# Altium PCB MCU047F_PCB.PcbDoc (part 2 of 3)
Units mil, origin at the board's own origin, x right, y up, seen from the top; angles counter-clockwise.
Board outline 7150 x 2800 mil, 2 copper layers (Top Layer, Bottom Layer), stack 62 mil thick; 59 components, 169 nets, 504 pads, 929 vias.
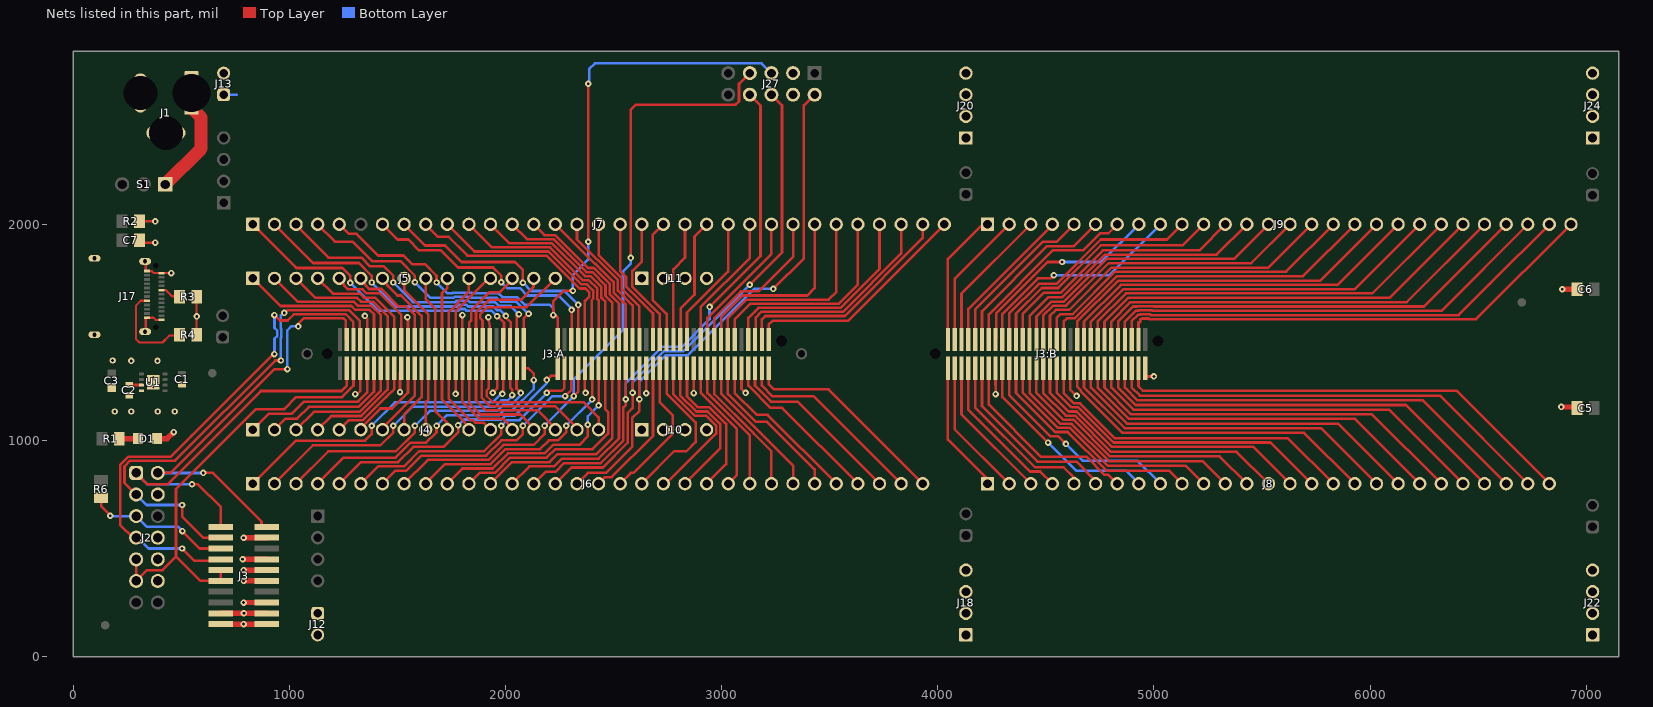
[diagram p2: the nets of this part, all layers, seen from the top]

## Via types
v1: diameter 62, hole 42, Top Layer to Bottom Layer, 816 vias
v2: diameter 30, hole 13, Top Layer to Bottom Layer, 109 vias
v3: diameter 19.68, hole 7.87, Top Layer to Bottom Layer, 4 vias

## Nets (pads, with @x,y where several pads share a name; then routed paths per layer and width w, separated by ;. In a path a pad name is that pad's centre, name@x,y a point inside that pad or via, vN(x,y) a via of type N, cw(c..) or ccw(c..) an arc to the next point about the centre after c; other vN are vias at no path point) (continued)
FSIRX_D0_MCU: J3:A.58 J7.5 J27.5 | length 3436.1
  Top Layer w12: J7.5@1230,2000 1273.88,1956.12 1309.88,1956.12 1410,1856 1527.33,1856 1567.33,1816 1626.23,1816 1680,1762.23 v2(1680,1731) ; J3:A.58@2240.87,1467.86 2241,1467.98 2241,1567.82 2235.78,1573.04 2235.78,1574.22 2230,1580 v2(2220,1580) 2220,1643.7 2269.21,1692.91 v2(2311.33,1692.91) ; v2(2381.89,1919.29) v2@2381.89,2650.33
  Bottom Layer w12: v2(1680,1731) 1730,1681 1753.61,1681 1756.85,1684.25 1843.01,1684.25 1846.25,1681 1967.12,1681 1985.12,1663 2053.49,1663 2089.24,1627.25 2204.6,1627.25 2220,1611.85 v2(2220,1580) ; v2(2311.33,1692.91) 2311.33,1766.32 2381.89,1836.88 v2(2381.89,1919.29) ; v2(2381.92,2650.35) 2386,2654.44 2386,2718.23 2413.26,2745.48 3184.52,2745.48 J27.5@3230,2700
FSIRX_D1_MCU: J3:A.63 J6.8 J27.7 | length 3216.8
  Top Layer w12: J6.8@1530,800 1640,910 1920,910 1990,980 2130,980 2180,1030 v2(2180,1068) ; v2(2315,1205) 2336,1226 2336,1333.36 J3:A.63@2335.36,1334 ; v2(2578.74,1845) 2578.74,2529.53 2602.86,2553.65 3063.94,2553.65 3080,2569.7 3080,2650 J27.7@3130,2700
  Bottom Layer w12: v2(2180,1068) 2315,1203 v2(2315,1205) 2315,1282.86 2542.98,1510.83 2542.98,1781.5 2578.74,1817.26 v2(2578.74,1845)
FSITX_CLK_MCU: J3:A.81 J6.16 J27.2 | length 2559.9
  Top Layer w12: J6.16@2330,800 2380,850 2465,850 2585,970 2585,1102.85 2618.83,1136.67 v2(2618.83,1190.94) J3:A.81@2618.83,1334 ; v2(3238.19,1701.13) 3380,1842.94 3380,2550 J27.2@3430,2600
  Bottom Layer w12: v2(2618.83,1190.94) 2618.83,1272 2741.66,1394.83 2843.45,1394.83 3149.75,1701.13 v2(3238.19,1701.13)
FSITX_D0_MCU: J3:A.79 J6.15 J27.6 | length 2513.2
  Top Layer w12: J6.15@2230,800 2305,875 2450,875 2565,990 2565,1127.18 2587.33,1149.51 v2(2587.33,1220.47) J3:A.79@2587.33,1334 ; v2(3129.92,1720.95) 3129.92,1721.43 3279,1870.51 3279,2551 J27.6@3230,2600 J27.6@3222.19,2600
  Bottom Layer w12: v2(2587.33,1220.47) 2587.33,1267.37 2733.79,1413.83 2822.8,1413.83 v2(3129.92,1720.95)
FSITX_D1_MCU: J3:A.77 J6.14 J27.8 | length 2578
  Top Layer w12: J6.14@2130,800 2185,855 2230,855 2270,895 2440,895 2545,1000 2545,1153 2555.83,1163.83 v2(2555.83,1190.94) J3:A.77@2555.83,1334 ; v2(2943.43,1617.79) 2944.32,1617.79 3179.13,1852.6 3179.13,2550 3130,2599.13 J27.8@3130,2600
  Bottom Layer w12: v2(2555.83,1190.94) 2555.83,1265.23 2723.43,1432.83 2814.93,1432.83 2943.43,1561.32 v2(2943.43,1617.79)
GND: C1.1 C2.1 C3.1 C5.2 C6.2 C7.2 D1.1 J1.2 J1.3 J2.4 J2.8 J2.10 J2.12 J3.4 J3.8 J3.10 J3.12 J3.16 J3.17 J3.18 J3.19 J3.20 J3:A.7 J3:A.10 J3:A.19 J3:A.22 J3:A.35 J3:A.38 J3:A.46 J3:A.47 J3:A.65 J3:A.83 J3:A.97 J3:A.111 J3:B.135 J3:B.157 J3:B.179 J10.1 J10.2 J10.3 J10.4 J11.1 J11.2 J11.3 J11.4 J12.1 J12.2 J13.1 J13.2 J17.A1 J17.A12 J17.B1 J17.B12 J17.S1 J17.S2 J17.S3 J17.S4 J18.1 J18.2 J18.3 J18.4 J20.1 J20.2 J20.3 J20.4 J22.1 J22.2 J22.3 J22.4 J24.1 J24.2 J24.3 J24.4 J27.3 J27.4 R2.1 R3.1 R4.1 U1.4 U1.9 | length 3661.8
  Top Layer w10: J17.S2@326.38,1503.58 334.65,1511.85 J17.B1@334.65,1567.76 ; J17.S1@326.38,1828.78 334.65,1820.51 334.65,1784.39 361.05,1784.39 370.98,1774.45 J17.A1@401.57,1774.45 ; J17.B1@339.65,1567.76 370.29,1567.76 380.13,1557.91 J17.A12@406.57,1557.91 ; J17.A1@406.57,1774.54 v2(452.46,1774.54) ; R4.1@570,1485 v2(570,1574) R3.1@570,1665
  Top Layer w12: C7.2@305,1915.45 v2(378.51,1915.45) ; R2.1@305,2013.87 v2(378.51,2013.87) ; v2(1303.91,1214.91) 1312.91,1214.91 1327,1229 1327,1288 1327.49,1288 J3:A.7@1327.49,1334 ; v2@1348.43,1574 1358.98,1563.44 J3:A.10@1358.98,1467.86 ; v2(1511,1224) 1511,1313.44 J3:A.19@1516.46,1318.9 ; v2(1545,1570) 1547.96,1570 J3:A.22@1547.96,1467.86 ; v2@1768,1229 v2@1768.43,1229 ; v2(1768.43,1215.49) J3:A.35@1768.43,1334 ; J3:A.38@1799.93,1513 J3:A.38@1799.93,1467.86 ; v2(1799.93,1580.25) J3:A.38@1799.93,1467.86 ; J3:A.38@1800,1467.93 J3:A.38@1799.93,1467.86 ; v2(1920,1570) 1925.91,1530 J3:A.46@1925.91,1467.86 ; v2(1940.47,1220.47) 1960.93,1240.93 1960.93,1334 J3:A.47@1957.41,1334 ; J3:A.65@2366.86,1334 2366.86,1223.14 v2(2370,1220) ; J3:A.83@2650.32,1334 v2(2650.63,1218.19) ; v2(2870.6,1218.91) 2870.8,1285 J3:A.97@2870.8,1334 ; J3:A.111@3091.27,1334 3091.27,1238.97 v2(3110.24,1220) ; v2(4267.17,1214.91) 4267,1289 4267.17,1289 J3:B.135@4267.18,1334 ; J3:B.157@4613.63,1334 4613.63,1234.49 v2(4642.15,1205.98) ; J3:B.179@4960.09,1334 4960.09,1296 v2(5000,1296)
  Top Layer w25: D1.1@386.5,1008.74 433.74,1008.74 v2(464.05,1039.06) ; J3.19@682.01,150 v2(787.4,150) J3.20@895,150 ; J3.17@682.01,200 J3.18@895,200 ; v2(782.48,450) J3.8@895,450 J3.8@893.5,451.5 ; v2(787.4,250) J3.16@895,250 ; v2(787.4,350) J3.12@895,350 ; v2(787.4,400) J3.10@895,400 ; v2(787.4,550) J3.4@895,550 ; v2(6885,1155) 6957.5,1155 C5.2@6962.5,1150 ; v2(6890,1700) C6.2@6962.5,1700
  Bottom Layer w12: J13.1@695,2600 756.3,2600
  other v2: 788.5,200 190.5,1134 267.15,1134 390,1134 469,1134 267.15,1368.11 388.73,1368.11 180.75,1370 1348.43,1576
  other v3: 369.05,1244.6 349.36,1269.2 388.73,1269.2 369.05,1293.81
NetC2_2: C2.2 U1.3 | length 56.5
  Top Layer w12: C2.2@257.4,1256.41 U1.3@313.93,1256.41
NetD1_2: D1.2 R1.1 | length 85.7
  Top Layer w25: R1.1@212.17,1008.74 D1.2@297.91,1008.74
NetJ1_1: J1.1 S1.1 | length 512.4
  Top Layer w60: S1.1@425,2185 590.55,2350.55 590.55,2494.72 545.91,2539.37 J1.1@545.91,2561.55 ; J1.1@545.91,2608.27 J1.1@545.91,2561.55 ; J1.1@547.4,2560.06 J1.1@545.91,2561.55
NetJ3:A_9: J3:A.9 J4.1 | length 712.6
  Top Layer w12: J4.1@830,1050 903,1123 1009.39,1123 1066.39,1180 1317.6,1180 1358.98,1221.39 J3:A.9@1358.98,1334
NetJ3:A_11: J3:A.11 J4.2 | length 641.4
  Top Layer w12: J4.2@930,1050 981.08,1101.08 1034.47,1101.08 1088.92,1155.53 1320,1155.53 1390.48,1226.01 J3:A.11@1390.48,1334
NetJ3:A_12: J3:A.12 J5.1 | length 745.4
  Top Layer w12: J5.1@830,1750 958,1622 1285.91,1622 1303.91,1604 1370.6,1604 1390.48,1584.12 J3:A.12@1390.48,1467.86
NetJ3:A_13: J3:A.13 J4.3 | length 570.2
  Top Layer w12: J4.3@1030,1050 1112,1132 1323.34,1132 1421.98,1230.64 J3:A.13@1421.98,1334
NetJ3:A_14: J3:A.14 J5.2 | length 674.2
  Top Layer w12: J5.2@930,1750 1039,1641 1299.02,1641 1317.02,1623 1378.47,1623 1421.98,1579.49 J3:A.14@1421.98,1467.86
NetJ3:A_15: J3:A.15 J4.4 | length 498.9
  Top Layer w12: J4.4@1130,1050 1193,1113 1331.21,1113 1453.47,1235.26 J3:A.15@1453.47,1334
NetJ3:A_16: J3:A.16 J5.3 | length 603
  Top Layer w12: J5.3@1030,1750 1120,1660 1311.91,1660 1329.91,1642 1386.34,1642 1453.47,1574.87 J3:A.16@1453.47,1467.86
NetJ3:A_17: J3:A.17 J4.5 | length 428.6
  Top Layer w12: J4.5@1230,1050 1274,1094 1339.3,1094 1448.3,1203 1449.59,1203 1484.97,1238.38 J3:A.17@1484.97,1334
NetJ3:A_18: J3:A.18 J5.4 | length 531.8
  Top Layer w12: J5.4@1130,1750 1201,1679 1325.27,1679 1343.27,1661 1394.21,1661 1484.97,1570.24 J3:A.18@1484.97,1467.86
NetJ3:A_20: J3:A.20 J5.5 | length 475
  Top Layer w12: J5.5@1230,1750 1229.39,1749.56 1255,1714.35 1270.35,1699 1337.63,1699 1355.63,1681 1417.9,1681 1516.46,1582.44 J3:A.20@1516.46,1467.86
NetJ3:A_21: J3:A.21 J4.6 | length 409.2
  Top Layer w12: J4.6@1330,1050 1326.2,1053.8 1420.4,1148 1474.6,1148 1547.96,1221.36 J3:A.21@1547.96,1334
NetJ3:A_23: J3:A.23 J4.7 | length 349.1
  Top Layer w12: J4.7@1430,1050 1426.2,1053.8 1579.46,1207.06 J3:A.23@1579.46,1334
NetJ3:A_24: J3:A.24 J5.6 | length 437.8
  Top Layer w12: J5.6@1330,1750 1328.89,1749.17 1355,1714.46 1368.46,1701 1424.77,1701 1504.77,1621 1539.6,1621 1579.46,1581.14 J3:A.24@1579.46,1467.86
NetJ3:A_25: J3:A.25 J4.8 | length 317.5
  Top Layer w12: J4.8@1530,1050 1530,1120 1610.95,1200.95 J3:A.25@1610.95,1334
NetJ3:A_26: J3:A.26 J5.7 | length 366.6
  Top Layer w12: J5.7@1430,1750 1428.89,1749.17 1455,1714.46 1498.46,1671 1516.47,1671 1610.95,1576.52 J3:A.26@1610.95,1467.86
NetJ3:A_27: J3:A.27 J4.9 | length 289.2
  Top Layer w12: J4.9@1630,1050 1630,1177.55 1642.45,1190 J3:A.27@1642.45,1334
NetJ3:A_28: J3:A.28 J5.8 | length 328.7
  Top Layer w12: J5.8@1530,1750 1530,1695.67 1642.45,1583.22 J3:A.28@1642.45,1467.86
NetJ3:A_29: J3:A.29 J4.10 | length 312.6
  Top Layer w12: J3:A.29@1673.94,1334 1673.94,1137 1730,1080.94 J4.10@1730,1050 J4.10@1733.8,1053.8
NetJ3:A_30: J3:A.30 J5.9 | length 300.3
  Top Layer w12: J5.9@1630,1750 1630,1654.34 1673.94,1610.4 J3:A.30@1673.94,1467.86
NetJ3:A_31: J3:A.31 J4.11 | length 332.5
  Top Layer w12: J3:A.31@1705.44,1334 1705.44,1189.43 1807.03,1087.84 J4.11@1830,1050
NetJ3:A_32: J3:A.32 J5.10 | length 292.3
  Top Layer w12: J3:A.32@1705.44,1467.86 1705.44,1681.44 1730,1706 J5.10@1730,1750
NetJ3:A_33: J3:A.33 J4.12 | length 393.7
  Top Layer w12: J3:A.33@1736.94,1334 1736.94,1192.31 1835.35,1093.91 1848.19,1093.91 1860.89,1081.2 1898.8,1081.2 J4.12@1930,1050
NetJ3:A_34: J3:A.34 J5.11 | length 320.7
  Top Layer w12: J3:A.34@1736.94,1467.86 1736.94,1595.17 1830,1688.23 J5.11@1830,1750
NetJ3:A_36: J3:A.36 J5.12 | length 359.9
  Top Layer w12: J3:A.36@1768.43,1467.86 1768.43,1597.78 1920.65,1750 J5.12@1930,1750 J5.12@1933.8,1746.2
NetJ3:A_37: J3:A.37 J4.13 | length 447.3
  Top Layer w12: J3:A.37@1799.93,1334 1799.93,1176.99 1875.92,1101 1986.6,1101 2033.8,1053.8 J4.13@2030,1050
NetJ3:A_39: J3:A.39 J4.14 | length 518.5
  Top Layer w12: J3:A.39@1831.43,1334 1831.43,1172.37 1883.79,1120 2067.6,1120 2133.8,1053.8 J4.14@2130,1050
NetJ3:A_40: J3:A.40 J5.13 | length 396
  Top Layer w12: J3:A.40@1831.43,1467.86 1831.43,1545.36 1840.08,1554.02 1840.08,1557.34 1840.55,1557.34 1840.55,1601 1925.55,1686 1973.6,1686 2033.8,1746.2 J5.13@2030,1750
NetJ3:A_41: J3:A.41 J4.15 | length 579.3
  Top Layer w12: J3:A.41@1862.92,1334 1862.92,1185.53 1909.45,1139 2148.6,1139 2233.8,1053.8 J4.15@2230,1050
NetJ3:A_42: J3:A.42 J5.14 | length 479.2
  Top Layer w12: J3:A.42@1862.92,1467.86 1862.92,1591.39 1922.53,1651 2070,1651 2129,1710 2129,1749 J5.14@2130,1750
NetJ3:A_43: J3:A.43 J4.16 | length 649.8
  Top Layer w12: J3:A.43@1894.42,1334 1890,1334 1890,1197.13 1929.13,1158 2229.6,1158 2333.8,1053.8 J4.16@2330,1050
NetJ3:A_44: J3:A.44 J5.15 | length 537
  Top Layer w12: J3:A.44@1894.42,1467.86 1893,1469.28 1893,1555 1883,1565 1883,1584.6 1915.4,1617 2097,1617 J5.15@2230,1750
NetJ3:A_45: J3:A.45 J4.17 | length 750
  Top Layer w12: J3:A.45@1925.91,1334 1920.96,1329.04 1920.96,1240.56 1912.47,1232.07 1912.47,1204.53 1940,1177 2360,1177 2430,1107 J4.17@2430,1050
NetJ3:A_49: J3:A.49 J6.1 | length 1469.8
  Top Layer w12: J6.1@830,800 1029,999 1349,999 1380,1030 v2(1380,1068) ; v2(1985,1215) 1988.91,1218.91 J3:A.49@1988.91,1334
  Bottom Layer w12: v2(1380,1068) 1488,1176 1940,1176 1979,1215 v2(1985,1215)
NetJ3:A_50: J3:A.50 J7.1 | length 1458.3
  Top Layer w12: J7.1@830,2000 1030,1800 1030,1798 1244.23,1798 1281,1761.23 v2(1281,1729) ; v2(1960,1575) 1961.06,1576.06 1992.19,1544.92 1992.19,1467.86 J3:A.50@1988.91,1467.86
  Bottom Layer w12: v2(1281,1729) 1409,1601 1781.09,1601 1788.33,1608.25 1811.53,1608.25 1818.77,1601 1934.6,1601 1960,1575.6 v2(1960,1575)
NetJ3:A_51: J3:A.51 J6.2 | length 1417.9
  Top Layer w12: J6.2@930,800 1107.77,977.77 1420,977.77 1480,1037.77 v2(1480,1068) ; J3:A.51@2020.4,1334 2020.4,1245 2030,1235.4 v2(2030,1210)
  Bottom Layer w12: v2(1480,1068) 1568,1156 1950,1156 1980,1186 2010,1186 2030,1206 v2(2030,1210)
NetJ3:A_52: J3:A.52 J7.2 | length 1395.4
  Top Layer w12: J7.2@930,2000 1109,1821 1321.23,1821 1380,1762.23 v2(1380,1731) ; v2(2001,1576) 1997.07,1572.07 2023.96,1545.19 2023.96,1467.86 J3:A.52@2020.4,1467.86
  Bottom Layer w12: v2(1380,1731) 1491,1620 1773.22,1620 1780.46,1627.25 1819.4,1627.25 1826.64,1620 1942.47,1620 1942.94,1620 1959.94,1603 1974,1603 v2(2001,1576)
NetJ3:A_53: J3:A.53 J6.3 | length 1360.6
  Top Layer w12: J6.3@1030,800 1180,950 1492.23,950 1580,1037.77 v2(1580,1068) ; J3:A.53@2051.9,1334 2050,1332.1 2050,1240 v2(2070,1220)
  Bottom Layer w12: v2(1580,1068) 1649,1137 1960,1137 1988,1165 2025,1165 2070,1210 v2(2070,1220)
NetJ3:A_54: J3:A.54 J7.3 | length 1349.8
  Top Layer w12: J7.3@1030,2000 1030,1996 1180,1846 1331.79,1846 1371.79,1806 1436.23,1806 1480,1762.23 v2(1480,1731) ; J3:A.54@2051.9,1467.86 2051.8,1467.96 2051.8,1574 v2(2061.55,1583.75)
  Bottom Layer w12: v2(1480,1731) 1571,1640 1766.35,1640 1772.59,1646.25 1827.27,1646.25 1833.51,1640 1950.52,1640 1968.52,1622 2023.3,1622 v2(2061.55,1583.75)
NetJ3:A_55: J3:A.55 J6.4 | length 1327.1
  Top Layer w12: J6.4@1130,800 1250,920 1490,920 1560,990 1632.23,990 1680,1037.77 v2(1680,1068) ; J3:A.55@2083.39,1334 2105,1334 2130,1309 v2(2130,1279.53)
  Bottom Layer w12: v2(1680,1068) 1729,1117 1970,1117 1993,1140 2032,1140 2130,1238 v2(2130,1279.53)
NetJ3:A_56: J3:A.56 J7.4 | length 1297.9
  Top Layer w12: J7.4@1130,2000 1210,1920 1292.24,1920 1382.24,1830 1512.23,1830 1580,1762.23 v2(1580,1732) ; J3:A.56@2083.39,1467.86 2083.39,1563.76 v2(2106.3,1586.66)
  Bottom Layer w12: v2(1580,1732) 1652,1660 1759.48,1660 1764.72,1665.25 1835.14,1665.25 1840.38,1660 1958.7,1660 1976.7,1642 2047.62,1642 2102.95,1586.66 v2(2106.3,1586.66)
NetJ3:A_57: J3:A.57 J6.5 | length 1280.8
  Top Layer w12: J6.5@1230,800 1330,900 1502.52,900 1572.52,970 1712.23,970 1780,1037.77 v2(1780,1070) ; v2(2190,1280) 2209,1299 2240.87,1299 J3:A.57@2240.87,1334
  Bottom Layer w12: v2(1780,1070) 1807,1097 1980.35,1097 1997.35,1114 2040,1114 2190,1264 v2(2190,1280)
NetJ3:A_59: J3:A.59 J6.6 | length 1239.5
  Top Layer w12: J6.6@1330,800 1410,880 1530,880 1600,950 1900,950 1980,1030 v2(1980,1068) ; v2(2190.47,1220.47) 2200,1230 2260,1230 2271.91,1241.91 2271.91,1333.54 J3:A.59@2272.37,1334
  Bottom Layer w12: v2(1980,1068) 2006.34,1094.34 2064.34,1094.34 v2(2190.47,1220.47)
NetJ3:A_61: J3:A.61 J6.7 | length 1176.1
  Top Layer w12: J6.7@1430,800 1490,860 1540,860 1610,930 1910,930 1980,1000 2050,1000 2080,1030 v2(2080,1068) ; v2(2275,1205) 2304,1234 2304,1333.87 J3:A.61@2303.87,1334
  Bottom Layer w12: v2(2080,1068) 2217,1205 v2(2275,1205)
NetJ3:A_62: J3:A.62 J7.7 | length 1200.9
  Top Layer w12: J7.7@1430,2000 1500,1930 1550,1930 1600,1880 1700,1880 1779.62,1800.38 1941.85,1800.38 1980,1762.23 v2(1980,1732) ; J3:A.62@2305,1468.99 v2(2305,1604.33) v2@2305,1610
  Bottom Layer w12: v2(1980,1732) 2007,1705 2065.23,1705 2099.23,1671 2244,1671 2305,1610 v2(2305,1604.33)
NetJ3:A_64: J3:A.64 J7.8 | length 1161.9
  Top Layer w12: J7.8@1530,2000 1627.77,1902.23 1720,1902.23 1796.44,1825.79 2043.36,1825.79 2080,1789.16 v2(2080,1730) ; J3:A.64@2335,1468.22 J3:A.64@2335.36,1467.86 2335.36,1633.22 v2@2336,1633.86
  Bottom Layer w12: v2(2080,1730) 2118.24,1691.76 2271.21,1691.76 v2(2336,1626.97)
NetJ3:A_66: J3:A.66 J7.9 | length 1115.5
  Top Layer w12: J7.9@1630,2000 1687.94,1942.06 1736.61,1942.06 1823.16,1855.51 2190.06,1855.51 2344.44,1701.13 2346.31,1703 2369.51,1703 2385.91,1686.6 2385.91,1663.4 2369.51,1647 2366.86,1647 J3:A.66@2366.86,1467.86
NetJ3:A_67: J3:A.67 J6.9 | length 1095.5
  Top Layer w12: J6.9@1630,800 1720,890 1930,890 2000,960 2160,960 2200,1000 2242.23,1000 2280,1037.77 v2(2280,1068) ; J3:A.67@2398.35,1334 2400,1333.35 v2(2400,1190)
  Bottom Layer w12: v2(2280,1068) 2400,1188 v2(2400,1190)
NetJ3:A_68: J3:A.68 J7.10 | length 1030.8
  Top Layer w12: J7.10@1730,2000 1855.49,1874.51 2197.93,1874.51 2350.44,1722 2377.38,1722 2404.91,1694.47 2404.91,1655.53 2398.35,1648.97 J3:A.68@2398.35,1467.86
NetJ3:A_69: J3:A.69 J6.10 | length 1136.4
  Top Layer w12: J6.10@1730,800 1800,870 1940,870 2010,940 2180,940 2220,980 2341,980 2380,1020 v2@2380,1079.17 ; v2(2429.85,1161.83) J3:A.69@2429.85,1334 2429.85,1280
  Bottom Layer w12: v2(2380,1072.83) 2380,1111.98 v2(2429.85,1161.83)
NetJ3:A_70: J3:A.70 J7.11 | length 954.1
  Top Layer w12: J7.11@1830,2000 1936.49,1893.51 2205.8,1893.51 2358.31,1741 2385.25,1741 2423.91,1702.34 2423.91,1653.72 2429.85,1647.78 J3:A.70@2429.85,1467.86
NetJ3:A_71: J3:A.71 J6.11 | length 1047.6
  Top Layer w12: J6.11@1830,800 1880,850 1950,850 2020,920 2190,920 2230,960 2402.23,960 2474,1031.77 2474,1131 2461,1144 2461,1327.35 J3:A.71@2461.35,1334
NetJ3:A_72: J3:A.72 J7.12 | length 882.9
  Top Layer w12: J7.12@1930,2000 2017.49,1912.51 2213.67,1912.51 2366.18,1760 2393.12,1760 2442.91,1710.21 2442.91,1661.59 2448.85,1655.65 2461.35,1643.15 J3:A.72@2461.35,1467.86
NetJ3:A_73: J3:A.73 J6.12 | length 974.1
  Top Layer w12: J6.12@1930,800 2030,900 2203,900 2240,937 2420,937 2493,1010 2493,1157.16 2492.84,1157.32 J3:A.73@2492.84,1334
NetJ3:A_74: J3:A.74 J7.13 | length 811.7
  Top Layer w12: J7.13@2030,2000 2098.49,1931.51 2221.54,1931.51 2374.05,1779 2400.99,1779 2461.91,1718.08 2461.91,1669.46 2480.35,1651.02 2492.84,1638.53 J3:A.74@2492.84,1467.86
NetJ3:A_75: J3:A.75 J6.13 | length 905.3
  Top Layer w12: J6.13@2030,800 2110,880 2224.34,880 2260,915.66 2430,915.66 2524.34,1010 J3:A.75@2524.34,1334
NetJ3:A_76: J3:A.76 J7.14 | length 740.5
  Top Layer w12: J7.14@2130,2000 2179.49,1950.51 2229.41,1950.51 2381.92,1798 2408.86,1798 2480.91,1725.95 2480.91,1677.33 2511.84,1646.4 2524.34,1633.9 J3:A.76@2524.34,1467.86
NetJ3:A_78: J3:A.78 J7.15 | length 669.3
  Top Layer w12: J7.15@2230,2000 2413,1817 2416.73,1817 2499.91,1733.82 2499.91,1685.2 2543.34,1641.77 2555.83,1629.28 J3:A.78@2555.83,1467.86
NetJ3:A_80: J3:A.80 J7.16 | length 638.7
  Top Layer w12: J7.16@2330,2000 2330,1930.6 2518.91,1741.69 2518.91,1693.07 2587.33,1624.65 J3:A.80@2587.33,1467.86
NetJ3:A_82: J3:A.82 J7.17 | length 610.4
  Top Layer w12: J7.17@2430,2000 2430,1857.47 2537.91,1749.56 2537.91,1700.94 2618.83,1620.02 J3:A.82@2618.83,1467.86
NetJ3:A_85: J3:A.85 J6.17 | length 656.1
  Top Layer w12: J6.17@2430,800 2460,830 2490.38,830 2681.82,1021.43 J3:A.85@2681.82,1334
NetJ3:A_86: J3:A.86 J7.18 | length 595
  Top Layer w12: J7.18@2530,2000 2530,1784.34 2556.91,1757.43 2556.91,1713.36 2681.82,1588.45 J3:A.86@2681.82,1467.86
NetJ3:A_87: J3:A.87 J6.18 | length 667.4
  Top Layer w12: J6.18@2530,800 2580,850 2592.23,850 2774,1031.77 2774,1115.18 2713.31,1175.86 J3:A.87@2713.32,1334
NetJ3:A_88: J3:A.88 J7.19 | length 603.7
  Top Layer w12: J7.19@2630,2000 2630,1829.11 2586.09,1785.2 2586.09,1711.05 2712.08,1585.06 2713.31,1585.06 J3:A.88@2713.32,1467.86
NetJ3:A_89: J3:A.89 J6.19 | length 725.5
  Top Layer w12: J6.19@2630,800 2780,950 2836,950 2879,993 2879,1084 2744.81,1218.19 J3:A.89@2744.81,1334
NetJ3:A_90: J3:A.90 J7.20 | length 579.7
  Top Layer w12: J7.20@2730,2000 2680,1950 2680,1649.87 2744.81,1585.06 J3:A.90@2744.81,1467.86
NetJ3:A_91: J3:A.91 J6.20 | length 754.8
  Top Layer w12: J6.20@2730,800 2742.23,800 2974,1031.77 2974,1068.23 2927.23,1115 2874.87,1115 2776.31,1213.56 J3:A.91@2776.31,1334
NetJ3:A_92: J3:A.92 J7.21 | length 554.4
  Top Layer w12: J3:A.92@2776.31,1467.86 2776.31,1792.06 2830,1845.75 J7.21@2830,2000
NetJ3:A_93: J3:A.93 J6.21 | length 708.9
  Top Layer w12: J3:A.93@2807.8,1334 2807.8,1208.94 2882.74,1134 2935.1,1134 2993,1076.1 2993,963 J6.21@2830,800
NetJ3:A_94: J3:A.94 J7.22 | length 579.6
  Top Layer w12: J3:A.94@2810,1470.06 2810,1611 2874,1675 2874,1944 J7.22@2930,2000
NetJ3:A_95: J3:A.95 J6.22 | length 676.8
  Top Layer w12: J3:A.95@2839.3,1334 2839.3,1204.31 2890.61,1153 2942.97,1153 3020,1075.97 3020,890 J6.22@2930,800
NetJ3:A_96: J3:A.96 J7.23 | length 611.1
  Top Layer w12: J3:A.96@2839.3,1467.86 2839.3,1591.11 3030,1781.81 J7.23@3030,2000
NetJ3:A_99: J3:A.99 J6.23 | length 620
  Top Layer w12: J3:A.99@2902.29,1334 2902.29,1220.86 3070,1053.15 3070,840 J6.23@3030,800
NetJ3:A_100: J3:A.100 J7.24 | length 626.5
  Top Layer w12: J3:A.100@2902.29,1467.86 2902.29,1617.27 3130,1844.97 J7.24@3130,2000
NetJ3:A_101: J3:A.101 J6.24 | length 615.3
  Top Layer w12: J3:A.101@2933.79,1334 2933.79,1219.75 3130,1023.54 J6.24@3130,800
NetJ3:A_102: J3:A.102 J7.25 | length 654.8
  Top Layer w12: J3:A.102@2933.79,1467.86 2933.79,1567.66 3230,1863.87 J7.25@3230,2000
NetJ3:A_103: J3:A.103 J6.25 | length 643.7
  Top Layer w12: J3:A.103@2965.28,1334 2965.28,1215.13 3149,1031.41 3149,1031 3230,950 J6.25@3230,800
NetJ3:A_104: J3:A.104 J7.26 | length 730.7
  Top Layer w12: J3:A.104@2965.28,1467.86 2965.28,1566.18 3089.1,1690 3170.12,1690 3330,1849.88 J7.26@3330,2000
NetJ3:A_105: J3:A.105 J6.26 | length 672
  Top Layer w12: J3:A.105@2996.78,1334 2996.78,1216.71 3330,883.49 J6.26@3330,800
NetJ3:A_106: J3:A.106 J7.27 | length 886.9
  Top Layer w12: J3:A.106@2996.78,1467.86 2996.78,1570.81 3096.97,1671 3396.31,1671 3430,1704.69 J7.27@3430,2000
NetJ3:A_107: J3:A.107 J6.27 | length 731.3
  Top Layer w12: J3:A.107@3028.28,1334 3028.28,1215.14 3157.69,1085.73 3210.41,1085.73 3430,866.14 J6.27@3430,800
NetJ3:A_108: J3:A.108 J7.28 | length 962.9
  Top Layer w12: J3:A.108@3028.28,1467.86 3028.28,1566.78 3113.5,1652 3494,1652 3530,1688 J7.28@3530,2000
NetJ3:A_109: J3:A.109 J6.28 | length 757.8
  Top Layer w12: J3:A.109@3059.77,1334 3059.77,1220.63 3162.4,1118 3212,1118 J6.28@3530,800
NetJ3:A_110: J3:A.110 J7.29 | length 1008.7
  Top Layer w12: J3:A.110@3059.77,1467.86 3059.77,1560.79 3131.98,1633 3542.22,1633 3630,1720.78 J7.29@3630,2000
NetJ3:A_113: J3:A.113 J6.29 | length 776.2
  Top Layer w12: J3:A.113@3122.01,1334 J3:A.113@3122.76,1334 3122.76,1253.65 3225.41,1151 3279,1151 J6.29@3630,800
NetJ3:A_114: J3:A.114 J7.30 | length 1006.2
  Top Layer w12: J3:A.114@3122.76,1467.86 3122.76,1566.62 3170.15,1614 3550.09,1614 3730,1793.91 J7.30@3730,2000
NetJ3:A_115: J3:A.115 J6.30 | length 844.6
  Top Layer w12: J3:A.115@3154.26,1334 3154,1333.74 3154,1253.31 3227.31,1180 3350,1180 J6.30@3730,800
NetJ3:A_116: J3:A.116 J7.31 | length 1033.3
  Top Layer w12: J3:A.116@3154.26,1467.86 3157.69,1471.29 3157.69,1570 3182.69,1595 3560.43,1595 3830,1864.57 J7.31@3830,2000
NetJ3:A_117: J3:A.117 J6.31 | length 912.5
  Top Layer w12: J3:A.117@3185.76,1334 3186,1333.76 3186,1253.4 3235.26,1204.15 3425.85,1204.15 J6.31@3830,800
NetJ3:A_118: J3:A.118 J7.32 | length 1055.9
  Top Layer w12: J3:A.118@3185.76,1467.86 3185.76,1559.73 3202.02,1576 3569.85,1576 3930,1936.15 J7.32@3930,2000
NetJ3:A_119: J3:A.119 J6.32 | length 977.2
  Top Layer w12: J3:A.119@3217.25,1334 3217.25,1260.22 3241.47,1236 3494,1236 J6.32@3930,800
NetJ3:A_120: J3:A.120 J7.33 | length 1072.9
  Top Layer w12: J3:A.120@3217.25,1467.86 3217.25,1535.71 3235.26,1553.72 3583.72,1553.72 J7.33@4030,2000
NetJ3:B_121: J3:B.121 J8.1 | length 609.9
  Top Layer w12: J3:B.121@4046.7,1334 4046.7,1003.94 4230,820.64 J8.1@4230,800
NetJ3:B_122: J3:B.122 J9.1 | length 622
  Top Layer w12: J3:B.122@4046.7,1467.86 4046.7,1840.55 4206.15,2000 J9.1@4230,2000
NetJ3:B_123: J3:B.123 J8.2 | length 638.3
  Top Layer w12: J3:B.123@4078.2,1334 4078.2,1051.8 J8.2@4330,800
NetJ3:B_124: J3:B.124 J9.2 | length 636.4
  Top Layer w12: J3:B.124@4078.2,1467.86 4078.2,1748.2 J9.2@4330,2000
NetJ3:B_125: J3:B.125 J8.3 | length 666.7
  Top Layer w12: J3:B.125@4109.7,1334 4109.69,1120.31 J8.3@4430,800
NetJ3:B_126: J3:B.126 J9.3 | length 664.8
  Top Layer w12: J3:B.126@4109.7,1467.86 4109.7,1679.7 J9.3@4430,2000
NetJ3:B_127: J3:B.127 J8.4 | length 722.6
  Top Layer w12: J3:B.127@4141.19,1334 4141.19,1141.74 4426.63,856.3 4473.7,856.3 J8.4@4530,800
NetJ3:B_128: J3:B.128 J9.4 | length 693.2
  Top Layer w12: J3:B.128@4141.19,1467.86 4141.19,1609.22 4530,1998.03 J9.4@4530,2000
NetJ3:B_129: J3:B.129 J8.5 | length 800.8
  Top Layer w12: J3:B.129@4172.69,1334 4172.69,1153.39 4450.09,875.98 4582.14,875.98 4630,828.12 J8.5@4630,800
NetJ3:B_130: J3:B.130 J9.5 | length 759.1
  Top Layer w12: J3:B.130@4172.69,1467.86 4172.69,1606.74 4485.24,1919.29 4549.29,1919.29 J9.5@4630,2000
NetJ3:B_131: J3:B.131 J8.6 | length 857.3
  Top Layer w12: J3:B.131@4204.19,1334 4204.18,1158.53 4460.55,902.16 4517.88,902.16 4517.94,902.1 4640.74,902.1 4730,812.84 J8.6@4730,800
NetJ3:B_132: J3:B.132 J9.6 | length 822.3
  Top Layer w12: J3:B.132@4204.19,1467.86 4204.19,1597.66 4506.14,1899.61 4629.61,1899.61 J9.6@4730,2000
NetJ3:B_133: J3:B.133 J8.7 | length 914.3
  Top Layer w12: J3:B.133@4235.68,1334 4235.68,1165.35 4475.84,925.2 4687.93,925.2 4772.13,841 4789,841 J8.7@4830,800
NetJ3:B_134: J3:B.134 J9.7 | length 882.5
  Top Layer w12: J3:B.134@4235.68,1467.86 4235.68,1583.48 4531.66,1879.46 4671.55,1879.46 4750.75,1958.66 4788.66,1958.66 J9.7@4830,2000
NetJ3:B_136: J3:B.136 J9.8 | length 951.9
  Top Layer w12: J3:B.136@4267.18,1467.86 4269.94,1470.63 4269.94,1587.87 4507.87,1825.79 v2(4574.89,1825.79)
  Bottom Layer w12: v2(4574.89,1825.79) 4755.79,1825.79 J9.8@4930,2000
NetJ3:B_137: J3:B.137 J8.8 | length 931
  Top Layer w12: J3:B.137@4298.67,1334 4298.67,1200 4300,1200 v2(4510,990)
  Bottom Layer w12: v2(4510,990) 4640,860 4870,860 J8.8@4930,800
NetJ3:B_138: J3:B.138 J9.9 | length 1102.6
  Top Layer w12: 4298.67,1550 J3:B.138@4298.67,1467.86 4298.67,1585.09 4463.58,1750 4522.64,1750 v2(4537.4,1764.76)
  Bottom Layer w12: v2(4537.4,1764.76) 4794.76,1764.76 J9.9@5030,2000
NetJ3:B_139: J3:B.139 J8.9 | length 993.7
  Top Layer w12: J3:B.139@4330.17,1334 4330.17,1210 4520.08,1020.08 4557.09,1020.08 v2(4592.91,984.25)
  Bottom Layer w12: v2(4592.91,984.25) 4671.35,905.81 4924.19,905.81 J8.9@5030,800
NetJ3:B_140: J3:B.140 J9.10 | length 1172.6
  Top Layer w12: 4330.17,1550 J3:B.140@4330.17,1467.86 4330.17,1587.77 4467.11,1724.71 4548.73,1724.71 4753.94,1929.92 5059.92,1929.92 J9.10@5130,2000
NetJ3:B_141: J3:B.141 J8.10 | length 1056.3
  Top Layer w12: J3:B.141@4361.67,1334 4361.66,1220 4542.58,1039.08 4600.92,1039.08 4780,860 5070,860 J8.10@5130,800
NetJ3:B_142: J3:B.142 J9.11 | length 1158.2
  Top Layer w12: J3:B.142@4361.67,1467.86 4361.67,1586.49 4480.88,1705.71 4556.95,1705.71 4753.94,1902.7 5132.7,1902.7 J9.11@5230,2000
NetJ3:B_143: J3:B.143 J8.11 | length 1124.8
  Top Layer w12: J3:B.143@4393.16,1334 4393.16,1220 4555.08,1058.08 4611.21,1058.08 4786.13,883.16 5146.84,883.16 J8.11@5230,800
NetJ3:B_144: J3:B.144 J9.12 | length 1226.8
  Top Layer w12: J3:B.144@4393.16,1467.86 4393.16,1586.49 4489.74,1683.07 4566.85,1683.07 4763.78,1880 5210,1880 J9.12@5330,2000
NetJ3:B_145: J3:B.145 J8.12 | length 1193.3
  Top Layer w12: J3:B.145@4424.65,1334 4424.65,1220 4567.57,1077.08 4619.08,1077.08 4791.51,904.65 5225.35,904.65 J8.12@5330,800
NetJ3:B_146: J3:B.146 J9.13 | length 1288.5
  Top Layer w12: J3:B.146@4424.66,1467.86 4424.66,1575.01 4513.04,1663.39 4576.52,1663.39 4772.13,1859 4772.62,1859 4773.62,1860 5290,1860 J9.13@5430,2000
NetJ3:B_147: J3:B.147 J8.13 | length 1261.8
  Top Layer w12: J3:B.147@4456.15,1334 4456.15,1220 4580.07,1096.08 4626.95,1096.08 4796.88,926.15 5303.85,926.15 J8.13@5430,800
NetJ3:B_148: J3:B.148 J9.14 | length 1355.6
  Top Layer w12: J3:B.148@4456.15,1467.86 4456.58,1468.29 4456.58,1573 4526.36,1642.78 4582.78,1642.78 4780,1840 5370,1840 J9.14@5530,2000
NetJ3:B_149: J3:B.149 J8.14 | length 1330.3
  Top Layer w12: J3:B.149@4487.65,1334 4487.65,1220 4592.57,1115.08 4634.82,1115.08 4802.25,947.65 5382.35,947.65 J8.14@5530,800
NetJ3:B_150: J3:B.150 J9.15 | length 1426.8
  Top Layer w12: J3:B.150@4487.65,1467.86 4487.65,1577.2 4534.23,1623.78 4594,1623.78 4790.22,1820 5450,1820 J9.15@5630,2000
NetJ3:B_151: J3:B.151 J8.15 | length 1398.8
  Top Layer w12: J3:B.151@4519.15,1334 4519.14,1220 4605.06,1134.08 4642.69,1134.08 4806.77,970 5460,970 J8.15@5630,800
NetJ3:B_152: J3:B.152 J9.16 | length 1495.3
  Top Layer w12: J3:B.152@4519.15,1467.86 4519.15,1577.15 4546.77,1604.78 4608.14,1604.78 4803.37,1800 5530,1800 J9.16@5730,2000
NetJ3:B_153: J3:B.153 J8.16 | length 1467.3
  Top Layer w12: J3:B.153@4550.64,1334 4550.64,1220 4617.56,1153.08 4650.56,1153.08 4813,990.64 5539.36,990.64 J8.16@5730,800
NetJ3:B_154: J3:B.154 J9.17 | length 1557.7
  Top Layer w12: J3:B.154@4550.64,1467.86 4550.64,1567.93 4566.2,1583.48 4588.52,1583.48 4589.04,1584 4623.3,1584 4820.3,1781 5611,1781 ; 5611.5,1781.5 J9.17@5830,2000
NetJ3:B_155: J3:B.155 J8.17 | length 1535.8
  Top Layer w12: J3:B.155@4582.14,1334 4582.13,1220 4630.05,1172.08 4658.43,1172.08 4820.51,1010 5620,1010 J8.17@5830,800
NetJ3:B_156: J3:B.156 J9.18 | length 1698.7
  Top Layer w12: 4582.13,1550 J3:B.156@4582.14,1467.86 4582.14,1550.22 4596.91,1565 4633.26,1565 4828.26,1760 5690,1760 J9.18@5930,2000
NetJ3:B_159: J3:B.159 J8.18 | length 1558.2
  Top Layer w12: J3:B.159@4645.13,1334 4645.13,1249.02 4661.15,1233.01 4661.15,1228.98 4855,1035.13 5694.87,1035.13 J8.18@5930,800
NetJ3:B_160: J3:B.160 J9.19 | length 1653.4
  Top Layer w12: J3:B.160@4645.13,1467.86 4645.13,1550 4835.13,1740 5770,1740 J9.19@6030,2000
NetJ3:B_161: J3:B.161 J8.19 | length 1626.7
  Top Layer w12: J3:B.161@4676.63,1334 4676.62,1245 4865,1056.62 5773.38,1056.62 J8.19@6030,800
NetJ3:B_162: J3:B.162 J9.20 | length 1721.9
  Top Layer w12: J3:B.162@4676.63,1467.86 4676.62,1550 4846.62,1720 5850,1720 J9.20@6130,2000
NetJ3:B_163: J3:B.163 J8.20 | length 1695.2
  Top Layer w12: J3:B.163@4708.12,1334 4708.12,1245 4875,1078.12 5851.88,1078.12 J8.20@6130,800
NetJ3:B_164: J3:B.164 J9.21 | length 1790.4
  Top Layer w12: J3:B.164@4708.12,1467.86 4708.12,1550 4858.12,1700 5930,1700 J9.21@6230,2000
NetJ3:B_165: J3:B.165 J8.21 | length 1763.9
  Top Layer w12: J3:B.165@4739.62,1334 4739.61,1245 4875,1109.61 4875,1109.23 4884.61,1099.61 5930.39,1099.61 J8.21@6230,800
NetJ3:B_166: J3:B.166 J9.22 | length 1858.9
  Top Layer w12: J3:B.166@4739.62,1467.86 4740,1468.24 4740,1550.39 4870,1680.39 6010.39,1680.39 J9.22@6330,2000
NetJ3:B_167: J3:B.167 J8.22 | length 1832.2
  Top Layer w12: J3:B.167@4771.11,1334 4771.11,1245 4895,1121.11 6008.89,1121.11 J8.22@6330,800
NetJ3:B_168: J3:B.168 J9.23 | length 1927.4
  Top Layer w12: J3:B.168@4771.11,1467.86 4771.11,1550 4881.11,1660 6090,1660 J9.23@6430,2000
NetJ3:B_169: J3:B.169 J8.23 | length 1900.7
  Top Layer w12: J3:B.169@4802.61,1334 4802.61,1245 4905,1142.61 6087.39,1142.61 J8.23@6430,800
NetJ3:B_170: J3:B.170 J9.24 | length 1996.3
  Top Layer w12: J3:B.170@4802.61,1467.86 4802.61,1550 4892.61,1640 4912.9,1640 4913.38,1640.48 5006.8,1640.48 5007.28,1640 6170,1640 J9.24@6530,2000
NetJ3:B_171: J3:B.171 J8.24 | length 1969.2
  Top Layer w12: J3:B.171@4834.11,1334 4834.1,1245 4915,1164.1 6165.9,1164.1 J8.24@6530,800
NetJ3:B_172: J3:B.172 J9.25 | length 2065.7
  Top Layer w12: J3:B.172@4834.11,1467.86 4834.1,1550 4904.1,1620 4919.77,1620 4921.25,1621.48 4998.93,1621.48 5000.41,1620 6250,1620 J9.25@6630,2000
NetJ3:B_173: J3:B.173 J8.25 | length 2037.7
  Top Layer w12: J3:B.173@4865.6,1334 4865.6,1245 4925,1185.6 6244.4,1185.6 J8.25@6630,800
NetJ3:B_174: J3:B.174 J9.26 | length 2135
  Top Layer w12: J3:B.174@4865.6,1467.86 4865.6,1550 4915.6,1600 4926.64,1600 4929.12,1602.48 4991.06,1602.48 4993.54,1600 6330,1600 J9.26@6730,2000
NetJ3:B_175: J3:B.175 J8.26 | length 2106.2
  Top Layer w12: J3:B.175@4897.1,1334 4897.09,1245 4935,1207.09 6322.91,1207.09 J8.26@6730,800
NetJ3:B_176: J3:B.176 J9.27 | length 2287.7
  Top Layer w12: 4897.09,1550 J3:B.176@4897.1,1467.86 4897.1,1552.1 4926,1581 4934.51,1581 4936.99,1583.48 4983.19,1583.48 4986.67,1580 6409.72,1580 6555.12,1725.39 J9.27@6829.72,2000
  Bottom Layer w12: J9.27@6829.72,2000 J9.27@6830,2000
NetJ3:B_177: J3:B.177 J8.27 | length 2171.8
  Top Layer w12: J3:B.177@4928.59,1334 4928.59,1250.03 4948.31,1230.32 6399.69,1230.32 J8.27@6830,800
NetJ3:B_178: J3:B.178 J9.28 | length 2279.3
  Top Layer w12: J3:B.178@4928.59,1467.86 4928.59,1547.87 4937.25,1547.87 4937.25,1561 4941.38,1561 4944.86,1564.48 4975.32,1564.48 4978.8,1561 6491,1561 J9.28@6930,2000
TCK: J2.9 J2.11 J3.9 J3.11 J3:A.5 | length 2048.1
  Top Layer w12: J2.9@290,450 J2.11@290,350 340,400 412,400 474.37,462.37 ; J3.9@682.01,400 J3.11@682.01,350 586.74,350 474.37,462.37 ; J3:A.5@1295.99,1334 1295.99,1253.65 1243.13,1200.79 1030.79,1200.79 975.4,1145.4 975.4,1145 844.62,1145 474.37,774.75 474.37,462.37
TDI: J2.3 J3.3 J3:A.8 | length 2277.5
  Top Layer w12: J2.3@290,750 236.22,803.78 236.22,880.27 262.4,906.45 470.27,906.45 933.82,1370 v2(960,1370) ; v2(502.37,701.24) 502.37,647.26 599.63,550 J3.3@682.01,550 ; v2(975,1590) 977,1590 990,1603 1275,1603 1325,1553 1325,1470.35 J3:A.8@1327.49,1467.86
  Bottom Layer w12: J2.3@290,750 338.76,701.24 v2(502.37,701.24) ; v2(960,1370) 960,1474.24 962.35,1476.6 962.35,1515.53 960,1517.89 960,1579 v2(975,1590)
TDO: J2.7 J3.7 J3:A.6 | length 2418.5
  Top Layer w12: J2.7@290,550 274.6,550 217.22,607.38 217.22,888.14 254.53,925.45 450.26,925.45 548.43,1023.62 926.91,1402.09 v2(930,1400) ; v2(502.37,500) 559.76,442.61 674.62,442.61 J3.7@682.01,450 ; v2(930,1580.49) 955.49,1555 991,1555 1020,1584 1260.3,1584 1294.3,1550 1294.3,1469.55 J3:A.6@1295.99,1467.86
  Bottom Layer w12: J2.7@290,550 298,550 348,500 v2(502.37,500) ; v2(930,1400) 930,1471.11 943.35,1484.47 943.35,1507.66 930,1521.02 v2(930,1580.49)
TMS: J2.1 J3.1 J3:A.3 | length 1815.2
  Top Layer w12: J2.1@290,850 342.76,797.24 435.02,797.24 866.81,1229.03 1204.52,1229.03 ; v2(548.43,797.24) 575.95,797.24 682.01,691.18 J3.1@682.01,600 ; 1204.55,1229 1240.7,1229 1264.5,1252.79 J3:A.3@1264.5,1334
  Bottom Layer w12: J2.1@290,850 342.76,797.24 v2(548.43,797.24)
TRSTn: J2.2 J3.2 J3:A.4 | length 1993.8
  Top Layer w12: J2.2@390,850 450,850 930,1330 v2(990,1330) ; v2(600.39,850) 645,850 870.03,624.97 870.03,608 878.03,600 J3.2@895,600 ; v2(1040,1527.63) 1040,1540 1065,1565 1250,1565 1260,1555 1260,1467.86 J3:A.4@1264.5,1467.86
  Bottom Layer w12: J2.2@390,850 390.76,849.24 599.63,849.24 v2(600.39,850) ; v2(990,1330) 990,1510 1007.63,1527.63 v2(1040,1527.63)
USB_CC1: J17.A5 R3.2 | length 96.1
  Top Layer w10: J17.A5@406.57,1695.71 427.84,1695.71 455.86,1667.7 487.3,1667.7 R3.2@490,1665
USB_CC2: J17.B5 R4.2 | length 434.6
  Top Layer w10: J17.B5@339.65,1646.5 311.5,1646.5 290,1625 290,1467.76 304.07,1453.68 411.6,1453.68 442.91,1485 R4.2@490,1485
VTREF: J2.5 J3.5 R6.2 | length 677.2
  Top Layer w12: R6.2@127.3,735.24 128.86,733.68 128.86,694.84 170.22,653.48 v2(170.22,651.53) ; v2(504.37,580.71) 504.37,578.71 583.08,500 J3.5@682.01,500
  Bottom Layer w12: v2(170.22,651.53) 171.76,650 J2.5@290,650 340,600 485.05,600 v2@504.34,580.71
pads on no net: FID1.1 FID2.1 FID3.1 H1.0 H2.0 H3.0 H4.0 J2.6 J3.6 J3.15 J3:A.181 J3:A.182 J3:A.185 J3:A.186 J3:B.61 J3:B.62 J17.A2 J17.A3 J17.A6 J17.A7 J17.A8 J17.A10 J17.A11 J17.ALIGN1 J17.ALIGN2 J17.B2 J17.B3 J17.B6 J17.B7 J17.B8 J17.B10 J17.B11 J27.9 U1.2 U1.6 U1.7